# Altium PCB AD-FMComms3_revA.PcbDoc (part 2 of 5) (continued)
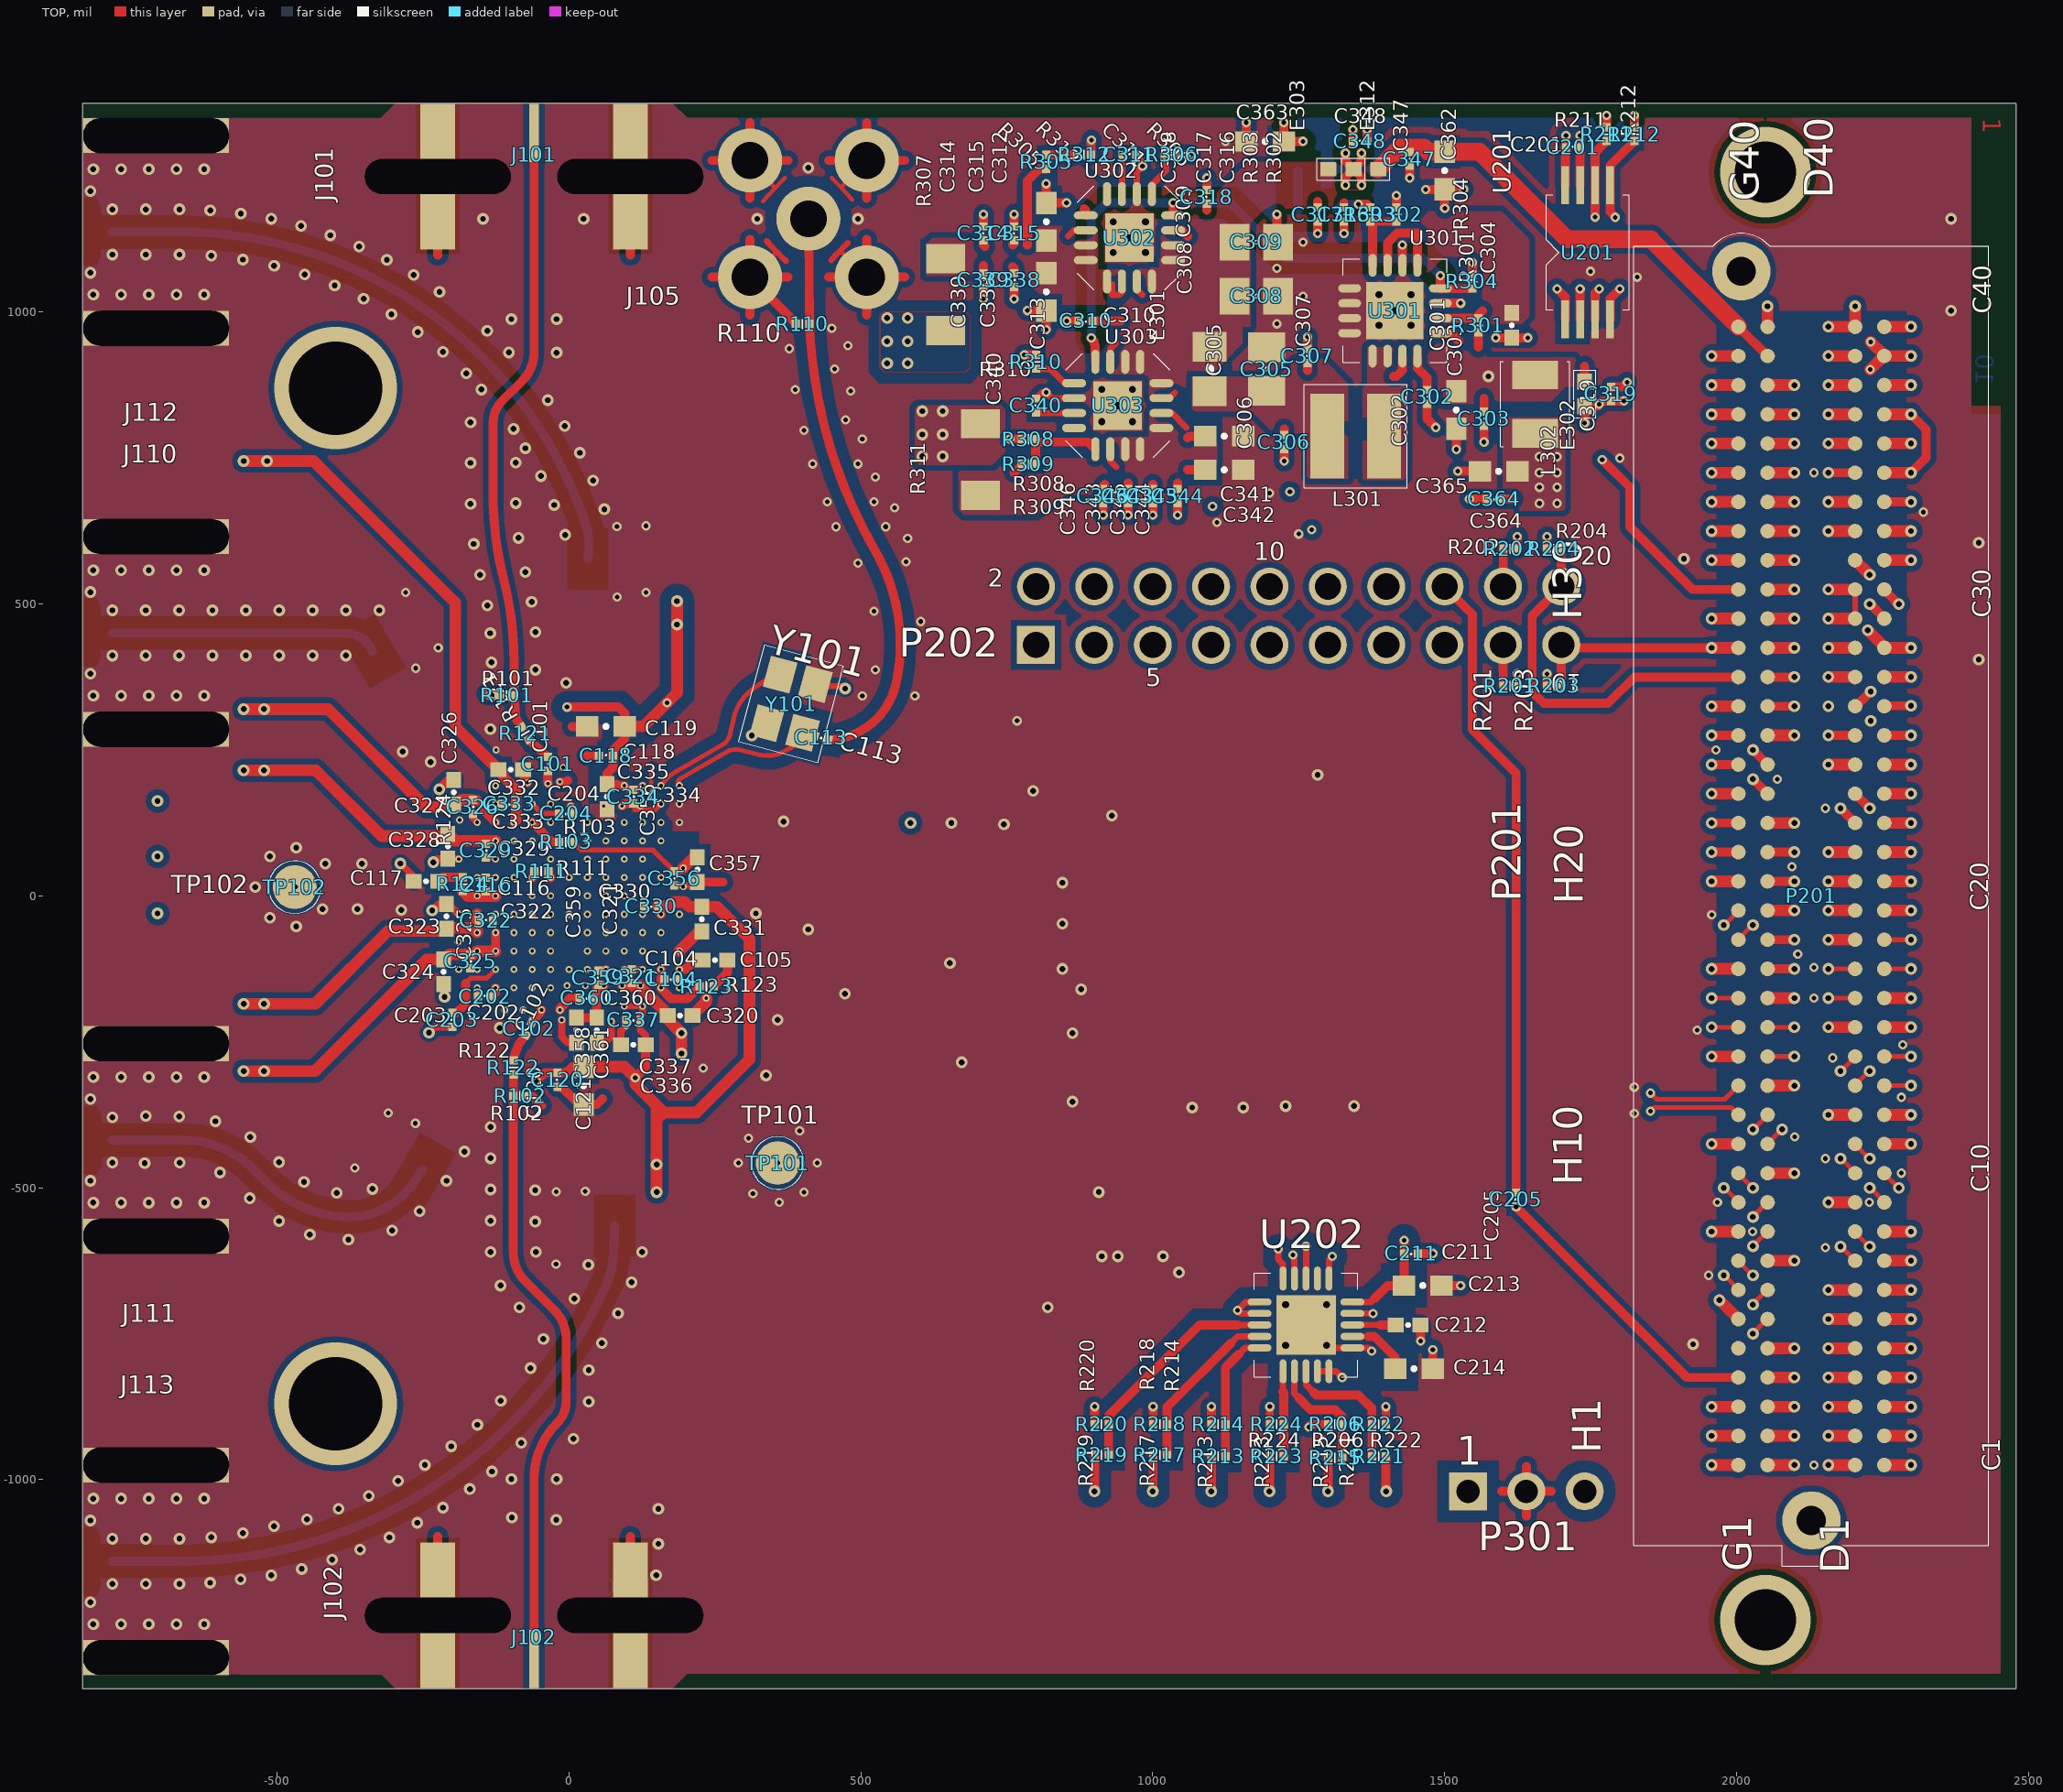
[diagram p0: TOP view]
## Nets (pads, with @x,y where several pads share a name; then routed paths per layer and width w, separated by ;. In a path a pad name is that pad's centre, name@x,y a point inside that pad or via, vN(x,y) a via of type N, cw(c..) or ccw(c..) an arc to the next point about the centre after c; other vN are vias at no path point) (continued)
  L2_GND w5: -265.02,-1097.48 J102.4@-225,-1232.5 -184.98,-1097.48 ; -265.02,1097.48 J101.2@-225,1232.5 -184.98,1097.48 ; 64.98,-1097.48 J102.2@105,-1232.5 145.02,-1097.48 ; 64.98,1097.48 J101.4@105,1232.5 145.02,1097.48 ; 262.02,1012.02 J105.4@310,1060 ; 262.02,1107.98 J105.4@310,1060 ; 262.02,1212.02 J105.3@310,1260 ; 262.02,1307.98 J105.3@310,1260 ; 357.98,1012.02 J105.4@310,1060 ; 357.98,1307.98 J105.3@310,1260 ; 462.02,1012.02 J105.5@510,1060 ; 462.02,1307.98 J105.2@510,1260 ; 557.98,1012.02 J105.5@510,1060 ; 557.98,1107.98 J105.5@510,1060 ; 557.98,1212.02 J105.2@510,1260 ; 557.98,1307.98 J105.2@510,1260 ; 1607.93,-1052.07 P301.2@1640,-1020 ; 1607.93,-987.93 P301.2@1640,-1020 ; 1672.07,-1052.07 P301.2@1640,-1020 ; 1672.07,-987.93 P301.2@1640,-1020
  L4_GND w4.9: -265.02,-1097.48 J102.4@-225,-1232.5 -184.98,-1097.48 ; -265.02,1097.48 J101.2@-225,1232.5 -184.98,1097.48 ; 64.98,-1097.48 J102.2@105,-1232.5 145.02,-1097.48 ; 64.98,1097.48 J101.4@105,1232.5 145.02,1097.48 ; 262.02,1012.02 J105.4@310,1060 ; 262.02,1107.98 J105.4@310,1060 ; 262.02,1212.02 J105.3@310,1260 ; 262.02,1307.98 J105.3@310,1260 ; 357.98,1012.02 J105.4@310,1060 ; 357.98,1307.98 J105.3@310,1260 ; 462.02,1012.02 J105.5@510,1060 ; 462.02,1307.98 J105.2@510,1260 ; 557.98,1012.02 J105.5@510,1060 ; 557.98,1107.98 J105.5@510,1060 ; 557.98,1212.02 J105.2@510,1260 ; 557.98,1307.98 J105.2@510,1260 ; 1607.93,-1052.07 P301.2@1640,-1020 ; 1607.93,-987.93 P301.2@1640,-1020 ; 1672.07,-1052.07 P301.2@1640,-1020 ; 1672.07,-987.93 P301.2@1640,-1020
  L5_SIG w4.9: -265.02,-1232.5 J102.4@-225,-1232.5 ; -265.02,1232.5 J101.2@-225,1232.5 ; -225,-1097.48 J102.4@-225,-1232.5 ; -225,1097.48 J101.2@-225,1232.5 ; -184.98,-1232.5 J102.4@-225,-1232.5 ; -184.98,1232.5 J101.2@-225,1232.5 ; 64.98,-1232.5 J102.2@105,-1232.5 ; 64.98,1232.5 J101.4@105,1232.5 ; 105,-1097.48 J102.2@105,-1232.5 ; 105,1097.48 J101.4@105,1232.5 ; 145.02,-1232.5 J102.2@105,-1232.5 ; 145.02,1232.5 J101.4@105,1232.5 ; 244.98,1060 J105.4@310,1060 ; 244.98,1260 J105.3@310,1260 ; 310,994.98 J105.4@310,1060 ; 310,1125.02 J105.4@310,1060 ; 310,1194.98 J105.3@310,1260 ; 310,1325.02 J105.3@310,1260 ; 375.02,1060 J105.4@310,1060 ; 375.02,1260 J105.3@310,1260 ; 444.98,1060 J105.5@510,1060 ; 444.98,1260 J105.2@510,1260 ; 510,994.98 J105.5@510,1060 ; 510,1125.02 J105.5@510,1060 ; 510,1194.98 J105.2@510,1260 ; 510,1325.02 J105.2@510,1260 ; 575.02,1060 J105.5@510,1060 ; 575.02,1260 J105.2@510,1260 ; 1597.48,-1020 P301.2@1640,-1020 ; 1640,-1062.52 P301.2@1640,-1020 ; 1640,-977.48 P301.2@1640,-1020 ; 1682.52,-1020 P301.2@1640,-1020
  L6_SIG w4.9: -265.02,-1232.5 J102.4@-225,-1232.5 ; -265.02,1232.5 J101.2@-225,1232.5 ; -225,-1097.48 J102.4@-225,-1232.5 ; -225,1097.48 J101.2@-225,1232.5 ; -184.98,-1232.5 J102.4@-225,-1232.5 ; -184.98,1232.5 J101.2@-225,1232.5 ; 64.98,-1232.5 J102.2@105,-1232.5 ; 64.98,1232.5 J101.4@105,1232.5 ; 105,-1097.48 J102.2@105,-1232.5 ; 105,1097.48 J101.4@105,1232.5 ; 145.02,-1232.5 J102.2@105,-1232.5 ; 145.02,1232.5 J101.4@105,1232.5 ; 244.98,1060 J105.4@310,1060 ; 244.98,1260 J105.3@310,1260 ; 310,994.98 J105.4@310,1060 ; 310,1125.02 J105.4@310,1060 ; 310,1194.98 J105.3@310,1260 ; 310,1325.02 J105.3@310,1260 ; 375.02,1060 J105.4@310,1060 ; 375.02,1260 J105.3@310,1260 ; 444.98,1060 J105.5@510,1060 ; 444.98,1260 J105.2@510,1260 ; 510,994.98 J105.5@510,1060 ; 510,1125.02 J105.5@510,1060 ; 510,1194.98 J105.2@510,1260 ; 510,1325.02 J105.2@510,1260 ; 575.02,1060 J105.5@510,1060 ; 575.02,1260 J105.2@510,1260 ; 1597.48,-1020 P301.2@1640,-1020 ; 1640,-1062.52 P301.2@1640,-1020 ; 1640,-977.48 P301.2@1640,-1020 ; 1682.52,-1020 P301.2@1640,-1020
  L7_GND w4: -265.02,-1097.48 J102.4@-225,-1232.5 -184.98,-1097.48 ; -265.02,1097.48 J101.2@-225,1232.5 -184.98,1097.48 ; 64.98,-1097.48 J102.2@105,-1232.5 145.02,-1097.48 ; 64.98,1097.48 J101.4@105,1232.5 145.02,1097.48 ; 262.02,1012.02 J105.4@310,1060 ; 262.02,1107.98 J105.4@310,1060 ; 262.02,1212.02 J105.3@310,1260 ; 262.02,1307.98 J105.3@310,1260 ; 357.98,1012.02 J105.4@310,1060 ; 357.98,1307.98 J105.3@310,1260 ; 462.02,1012.02 J105.5@510,1060 ; 462.02,1307.98 J105.2@510,1260 ; 557.98,1012.02 J105.5@510,1060 ; 557.98,1107.98 J105.5@510,1060 ; 557.98,1212.02 J105.2@510,1260 ; 557.98,1307.98 J105.2@510,1260 ; 1607.93,-1052.07 P301.2@1640,-1020 ; 1607.93,-987.93 P301.2@1640,-1020 ; 1672.07,-1052.07 P301.2@1640,-1020 ; 1672.07,-987.93 P301.2@1640,-1020
  L8_PWR w4: 1607.93,-1052.07 P301.2@1640,-1020 1607.93,-987.93
  L9_GND w5: -265.02,-1097.48 J102.4@-225,-1232.5 -184.98,-1097.48 ; -265.02,1097.48 J101.2@-225,1232.5 -184.98,1097.48 ; 64.98,-1097.48 J102.2@105,-1232.5 145.02,-1097.48 ; 64.98,1097.48 J101.4@105,1232.5 145.02,1097.48 ; 262.02,1012.02 J105.4@310,1060 ; 262.02,1107.98 J105.4@310,1060 ; 262.02,1212.02 J105.3@310,1260 ; 262.02,1307.98 J105.3@310,1260 ; 357.98,1012.02 J105.4@310,1060 ; 357.98,1307.98 J105.3@310,1260 ; 462.02,1012.02 J105.5@510,1060 ; 462.02,1307.98 J105.2@510,1260 ; 557.98,1012.02 J105.5@510,1060 ; 557.98,1107.98 J105.5@510,1060 ; 557.98,1212.02 J105.2@510,1260 ; 557.98,1307.98 J105.2@510,1260 ; 1607.93,-1052.07 P301.2@1640,-1020 ; 1607.93,-987.93 P301.2@1640,-1020 ; 1672.07,-1052.07 P301.2@1640,-1020 ; 1672.07,-987.93 P301.2@1640,-1020
  BOTTOM w7: U101.M6@-15.75,173.23 -15.75,171.75 v3@1.5,154.5 ; v3(188.98,-157.48) v3(188.98,-125.98) ; v3(188.98,-94.49) v3(188.98,-125.98) ; v3(188.98,157.48) v3(157.48,157.48) 125.73,157.48 v3(122.25,154) v3(90.75,154) v3(59.25,154) 28.26,154 27.76,154.5 v3@1.5,154.5 ; v3@1.5,154.5 0.25,153.25 0.25,30.75 0.75,30.25 -0.5,29 -0.5,22.43 -0.25,22.18 -0.25,-118.75 6.98,-125.98 124.52,-125.98 140.75,-109.75 172.75,-109.75 v3(188.98,-125.98)
  BOTTOM w8: U101.M6@-15.75,173.23 ccw(c-25939.4,179.12) -15.75,185 ccw(c-25939.39,166.93) v3@-15.76,196 ; v3(0.01,-125.99) U101.C7@15.75,-110.24 ; v3(0,-31.5) U101.F7@15.75,-15.75 ; v3(0,31.49) U101.H7@15.75,47.24 ; v3(2.98,153.74) 14.99,141.73 U101.L7@15.75,141.73 ; v3(31.5,-125.99) U101.C8@47.24,-110.24 ; U101.L8@47.24,141.73 47.24,141.99 v3(59.25,154) ; v3(63,-125.99) U101.C9@78.74,-110.24 ; v3(94.5,-125.99) U101.C10@110.24,-110.24 ; U101.L10@110.24,141.73 110.24,141.99 v3(122.25,154) ; v3(125.99,-125.99) U101.C11@141.73,-110.24
  BOTTOM w10: v3(-190,-78.74) U101.D1@-173.23,-78.74 ; v3(-188.98,-31.5) U101.E1@-173.23,-47.24 ; U101.B1@-173.23,-141.73 v3(-188.98,-125.98) U101.C1@-173.23,-110.24 ; U101.H1@-173.23,47.24 v3(-188.98,62.99) U101.J1@-173.23,78.74 ; v3(-157.48,-125.98) U101.C2@-141.73,-110.24 ; v3(-157.48,31.5) U101.H2@-141.73,47.24 ; U101.J2@-141.73,78.74 v3(-125.99,62.99) ; U101.K2@-141.73,110.24 v3(-157.46,125.98) U101.L2@-141.73,141.73 ; -130,262.5 v3(-125,250) ; v3(-125.99,31.49) U101.H3@-110.24,47.24 ; v3(-125.98,157.48) U101.L3@-110.24,141.73 ; v3(-94.49,-125.98) U101.C4@-78.74,-110.24 ; v3(-78.74,-195.5) U101.A4@-78.74,-173.23 ; U101.M4@-78.74,173.23 -74.95,183.64 -74.95,187.95 -72.48,190.42 v3(-71.12,194.16) ; v3(-31.5,-157.48) U101.A6@-15.75,-173.23 v3(-15.75,-195.5) ; v3(-31.5,31.49) U101.H6@-15.75,47.24 ; v3@90.75,153.74 v3(90.75,154) ; U101.H10@110.24,47.24 v3(125.98,62.99) ; v3(125.99,-31.49) U101.F11@141.73,-15.75 ; U101.G12@173.23,15.75 v3(195.5,15.75)
  BOTTOM w12: v3(-187.5,130) -184.96,130 U101.L1@-173.23,141.73 ; 240,8.75 245,13.75 C355.2@245,18
  BOTTOM w15.5: v2(-367,-466) T106.1@-337.76,-418.73 v2(-310,-372) ; v1(-325,489.28) T105.2@-293.75,444.13 v2(-262.5,390) T105.5@-231.25,335.87 ; -323,-489 T106.2@-294.46,-443.73 v2(-263.21,-389.6) T106.5@-231.96,-335.47 ; v2(-280,520) T105.1@-250.45,469.13 v2(-224,425) ; -265.02,-1232.5 J102.4@-225,-1232.5 ; -265.02,1232.5 J101.2@-225,1232.5 ; -225,-1097.48 J102.4@-225,-1232.5 ; -225,1097.48 J101.2@-225,1232.5 ; -184.98,-1232.5 J102.4@-225,-1232.5 ; -184.98,1232.5 J101.2@-225,1232.5 ; -102.1,296.8 -101.75,296.45 R125.2@-101.75,284.75 ; v2(-22.23,-630.77) T108.1@-22.23,-564.48 v2(-22,-507) ; 27.77,-611.77 T108.2@27.77,-564.48 v2(27.77,-506) T108.5@27.77,-439.48 ; 64.98,-1232.5 J102.2@105,-1232.5 ; 64.98,1232.5 J101.4@105,1232.5 ; v2(82,633) T107.2@82.22,577.48 v2(82.22,512) T107.5@82.22,452.48 ; 105,-1097.48 J102.2@105,-1232.5 ; 105,1097.48 J101.4@105,1232.5 ; v2(132,520) T107.1@132.22,577.48 v2(132,634) ; 145.02,-1232.5 J102.2@105,-1232.5 ; 145.02,1232.5 J101.4@105,1232.5 ; 244.98,1060 J105.4@310,1060 ; 244.98,1260 J105.3@310,1260 ; 310,994.98 J105.4@310,1060 ; 310,1125.02 J105.4@310,1060 ; 310,1194.98 J105.3@310,1260 ; 310,1325.02 J105.3@310,1260 ; 375.02,1060 J105.4@310,1060 ; 375.02,1260 J105.3@310,1260 ; 444.98,1060 J105.5@510,1060 ; 444.98,1260 J105.2@510,1260 ; 510,994.98 J105.5@510,1060 ; 510,1125.02 J105.5@510,1060 ; 510,1194.98 J105.2@510,1260 ; 510,1325.02 J105.2@510,1260 ; 575.02,1060 J105.5@510,1060 ; 575.02,1260 J105.2@510,1260 ; 1597.48,-1020 P301.2@1640,-1020 ; 1640,-1062.52 P301.2@1640,-1020 ; 1640,-977.48 P301.2@1640,-1020 ; 1682.52,-1020 P301.2@1640,-1020 ; v1@2224.13,454.13 v1(2225,455)
  BOTTOM w20: v3(195.5,15.75) 202.5,8.75 240,8.75 C354.2@285,8.75
  other v1: -815,-1247.5 -767.5,-1247.5 -720,-1247.5 -672.5,-1247.5 -625,-1247.5 -820,-1210 -782.5,-1178.75 -725,-1178.75 -667.5,-1178.75 -614.91,-1176.78 -562.61,-1170.89 -510,-1164 149.25,-1163.75 -458,-1153 -406,-1137 -358,-1120 153,-1110 -782.5,-1101.25 -725,-1101.25 -667.5,-1101.25 -612.92,-1098.87 -308,-1099 -558.75,-1091.74 -505.41,-1079.91 -260,-1074 -820,-1070 -22,-1069 -449,-1068 -98,-1065 -395,-1050 153,-1050 -216,-1048 -815,-1032.5 -767.5,-1032.5 -720,-1032.5 -672.5,-1032.5 -625,-1032.5 -343,-1028 -170,-1016 -293,-1002 -98.75,-999.06 -21.25,-999.06 -132,-986 -247,-975 -202,-943 -82,-937 7.4,-929.9 -157,-906 33.75,-866.29 -117,-865 33.75,-812.28 -66,-809 1925.68,-768.02 56,-766 -44,-759 84,-715 -85,-705 820,-705 9,-690 -117.5,-667.5 107,-662 1045,-645 33,-632 912.5,-617.5 940,-617.5 1017.5,-617.5 -134.5,-609.91 -57,-609.9 125,-610 -378,-589 -444,-580 -303,-573 -58,-558 -497,-557 -134.5,-556.43 -256,-540 -815,-525.53 -767.5,-525.53 -720,-525.53 -672.5,-525.53 -625,-525.53 -547,-518 -398,-509 907.5,-507.5 -58,-504 -134.5,-502.95 -337,-502 -454,-490 -820,-488.03 -210,-488 -598,-474 -727,-458 -782.5,-456.78 -667,-457 -497,-456 -134.5,-449.46 -179,-438 -546,-413 -134.5,-395.98 -606,-386 -782.5,-379.28 -668,-378 -725,-377 1067.5,-362.5 1155,-362.5 1227.5,-360 1345,-360 862.5,-352.5 -820,-348.03 -815,-310.53 -767.5,-310.53 -720,-310.53 -672.5,-310.53 -625,-310.53 337.5,-307.5 672.5,-285 862.5,-235 -118.71,-226.24 357.5,-212.5 472.5,-167.5 877.5,-160 845,-125 652.5,-115 410,-57.5 -467.5,-52.5 845,-47.5 -512.5,-37.5 320,-30 -287.58,-24.01 -422.5,-22.5 -362.5,-22.5 -537.5,15 845,22.5 -417.5,55 -355,55 -512.5,67.5 -467.5,82.5 745,122.5 655,125 367.5,127.5 930,137.5 795,180 1282.5,207.5 -237.39,229.48 -285,247.1 -134.84,285.77 -815,343.03 -767.5,343.03 -720,343.03 -672.5,343.03 -625,343.03 -5,365 -820,380.53 -57.5,387.5 -133,400 2415,405 -782.5,411.78 -725.31,411.78 -668.12,411.78 -610.94,411.78 -553.75,411.78 -496.56,411.78 -439.38,411.78 -382.19,411.78 -135,450 -57.67,452.02 -782.5,489.28 -725.31,489.28 -668.12,489.28 -610.94,489.28 -553.75,489.28 -496.56,489.28 -439.38,489.28 -382.19,489.28 -140,497.5 -64.17,503.67 -820,520.53 -152.5,550 -74.95,554.6 -815,558.03 -767.5,558.03 -720,558.03 -672.5,558.03 -625,558.03 1910,577.5 -163.28,602.98 2415,605 -86.46,613.31 -6.52,618.52 60.4,662.44 -25.4,669.71 -168.74,671.63 -91.25,672.94 41.05,711.51 -48.25,719.27 -168.75,741.9 -91.25,742.11 18.39,759.15 -74.92,766.89 -95,800 -7.46,805.13 -168.75,811.29 -36.39,849.24 -150,867.5 -176.06,895.19 -102.93,931.02 -21.25,930.77 -216.13,932.23 -258.99,966.02 -140.23,968.32 -98.75,988.08 -21.25,988.08 -304.36,996.33 2367.5,1002.5 -351.98,1023 -815,1030 -767.5,1030 -720,1030 -672.5,1030 -625,1030 -222.01,1034.86 -401.54,1045.85 -266.12,1063.79 -452.73,1064.73 -820,1067.5 -505.26,1079.55 -558.78,1090.19 -312.1,1089.64 -612.97,1096.61 -782.5,1098.75 -725,1098.75 -667.5,1098.75 -359.74,1112.3 -408.81,1131.65 -459.08,1147.6 -510.33,1160.09 -147.5,1160 25,1160 322.5,1160 495,1160 2367.5,1160 -562.31,1169.05 -614.78,1174.45 -782.5,1176.25 -725,1176.25 -667.5,1176.25 -820,1207.5 -815,1245 -767.5,1245 -720,1245 -672.5,1245 -625,1245 410,1247.5
  other v2: 2132.5,-975 1952.5,-650 2152.5,-602.5 2027.5,-575 360,-525 1967.5,-525 2227.5,-525 315,-510 402.5,-507.5 2282.5,-475 290,-457.5 425,-457.5 2152.5,-450 307.5,-415.01 2100,-412.5 395,-402.51 1825,-372.5 2282.5,-345 1825,-327.5 230,-295 2165,-277.5 2285,-255 1932.5,-230 2132.5,-175 2132.5,-122.5 2105,-100 1957.5,-32.5 2095,50 2152.5,150 2070,200 1965,250 767.5,300 502.5,342.5 592.5,342.5 525,387.5 602.5,470 522.5,487.5 495,570 577.5,572.5 580,612.5 1250,620 457.5,632.5 542.5,632.5 1110,640 2320,657.5 557.5,665 442.5,675 522.5,675 1200,690 525,717.5 2132.5,725 417.5,740 495,740 1800,750 502.5,782.5 402.5,797.5 473.75,815.65 482.5,865 387.5,867.5 455,902.5 377.5,937.5 477.5,942.5 450,972.5 1212.5,980 1257.5,1027.5 1830,1060 1750,1070 1212.5,1075 1257.5,1120 1125,1292.5
  other v3: 94.49,-31.5 188.98,125.98 -10,220
  other v4: 1227.5,-770 1227.5,-700 1297.5,-700 912.5,812.5 965,812.5 940,840 912.5,867.5 965,867.5 1387.5,977.5 1442.5,977.5 1415,1002.5 1387.5,1030 1442.5,1030 932.5,1102.5 987.5,1102.5 960,1127.5 932.5,1155 987.5,1155
GPO0: P202.12 U101.B7 | length 4206.2
  L5_SIG w4.9: v3(28.02,-153.74) 28.02,-289.48 -52.5,-370 -150,-370 -165,-385 -242.5,-385 -462.5,-165 -677.5,-165 -777.5,-65 -777.5,197.5 -745,230 -577.5,230 -540,267.5 -540,340 -535,345 -535,527.5 -190,872.5 -172.5,872.5 -147.5,897.5 419.75,897.5 432.25,885 775.25,885 807.75,917.5 1112.5,917.5 1300,730 P202.12@1300,530
  BOTTOM w10: U101.B7@15.75,-141.73 v3(28.02,-153.74)
GPO1: P202.13 U101.B6 | length 4209.1
  L5_SIG w4.9: v3(-3.48,-153.74) 2.5,-159.72 2.5,-220 -35,-257.5 -60,-257.5 -112.5,-310 -250,-310 -275,-285 -292.5,-285 -442.5,-135 -670,-135 -755,-50 -755,190 -735,210 -640,210 -607.5,177.5 -525,177.5 -497.5,205 -497.5,382.5 -515,400 -515,497.5 -162.5,850 -137.5,850 -117.5,870 342.5,870 362.5,850 435,850 442.5,842.5 502.5,842.5 520,860 790,860 825,895 1097.5,895 1272.5,720 v2(1272.5,627.5)
  L6_SIG w4.9: v2(1272.5,627.5) 1340,560 1340,490 P202.13@1400,430
  BOTTOM w10: U101.B6@-15.75,-141.73 -3.74,-153.74 v3(-3.48,-153.74)
GPO2: P202.14 U101.B5 | length 3368.9
  L5_SIG w4.9: v3(-62.99,-157.48) -62.99,-200.49 -107.5,-245 -202.5,-245 -237.5,-210 -257.5,-210 -388.75,-78.75 -511.25,-78.75 -557.5,-32.5 -557.5,60 -465,152.5 -465,490 -180,775 -170,775 -117.5,827.5 397.5,827.5 425,800 535,800 545,810 767.5,810 800,777.5 1150,777.5 v2(1235,692.5)
  L6_SIG w4.9: v2(1235,692.5) 1285,692.5 1400,577.5 P202.14@1400,530
GPO3: P202.15 U101.B4 | length 3011.9
  L5_SIG w4.9: v3(-94.49,-157.48) -112.01,-175 -180,-175 -200,-155 -242.5,-155 -337.5,-60 -337.5,102.5 -372.5,137.5 -372.5,377.5 -362.5,387.5 -362.5,477.5 -207.5,632.5 -167.5,632.5 -62.5,737.5 315,737.5 352.5,700 595,700 620,725 1045,725 v2(1102.5,667.5)
  L6_SIG w4.9: v2(1102.5,667.5) 1270,667.5 1360,577.5 1360,510 1387.5,482.5 1447.5,482.5 P202.15@1500,430
PG_1P3_A: R306.1 U302.5 | length 78.9
  TOP w11: U302.5@998.39,1202.3 998.39,1218.39 1023,1243 1023,1267.5 R306.1@1020.5,1270
PG_1P3_B: R310.1 U303.5 | length 75.4
  TOP w11: R310.1@800,903 824.5,903 849.11,878.39 U303.5@865.2,878.39
PG_1P8V: R304.1 U301.16 U302.4 U303.4 | length 1008.1
  TOP w15.5: v2(894.64,955.76) cw(c879.16,940.28) 901.05,940.28 901.05,927.5 901.61,926.94 U303.4@901.61,914.8 ; U302.4@1034.8,1165.89 1034.8,1167.19 1035,1167.39 v2(1035,1187.5) ; v2(1492.72,1062.5) U301.16@1492.72,1040.89 1493.61,1040 R304.1@1547.5,1040.5
  BOTTOM w15.5: v2(894.64,955.76) 894.64,1162.14 920,1187.5 v2(1035,1187.5) 1132.5,1187.5 1227.5,1092.5 1462.72,1092.5 v2(1492.72,1062.5)
PG_FMC: P201.D1 U301.15 | length 2768.7
  TOP w15.5: U301.15@1492.72,1015.3 v2(1527.5,1015.3)
  TOP w20: v1(2157.45,-975) P201.D1@2203.27,-975
  L5_SIG w4.9: v2(1527.5,1015.3) 1707.2,1015.3 1920,802.5 1982.5,802.5 2085,700 2170,700 2190,680 2190,507.5 2222.5,475 2322.5,475 2365,432.5 2365,-792.5 2307.5,-850 2282.5,-850 2157.5,-975 v1(2157.45,-975)
REF_CLK: C113.1 J105.1 R110.2 | length 990.5
  TOP w8: C113.1@442.34,267.14 443.48,268.28 C113.1@443.8,268.28
  TOP w15.5: J105.1@410,1160 cw(c-7689,980) R110.2@412,980 ccw(c1259.56,1014.21) 525,590 cw(c250.14,431.27) 560.52,364.89 cw(c439.61,390.75) C113.1@442.34,267.14
RESETB: P201.H31 R103.2 U101.K5 | length 2810
  TOP w15.5: v3(-62.99,125.98) -29.51,92.5 R103.2@-17,92.5 ; v2(1770,747.5) 1817.5,700 1817.5,632.5 1925,525 P201.H31@2003.27,525
  L6_SIG w4.9: v3(-62.99,125.98) -87.5,150.49 -87.5,209.5 37.55,334.55 37.55,422.55 108.5,493.5 108.5,526.5 414.5,832.5 517.5,832.5 535,850 717.5,850 757.5,890 1460,890 1552.5,797.5 1720,797.5 v2(1770,747.5)
  BOTTOM w10: v3(-62.99,125.98) U101.K5@-47.24,110.24
RX1A: J110.1 T105.3 | length 458.6
  BOTTOM w15.5: J110.1@-782.5,450.53 -410.6,450.53 -382.96,449.75 -370.62,448.97 cw(c-382.9,401.35) T105.3@-337.05,419.13
RX1A_N: C106.2 U101.M2 | length 96
  BOTTOM w8: C106.2@-165.93,261.92 -166.47,261.03 ccw(c-141.51,248.06) -165.87,233.99 -162.14,227.53 -158.13,220.6 -154.13,213.67 cw(c-185.72,195.41) -149.25,196.5 -149.25,190.25 ccw(c-123.51,191.45) U101.M2@-141.73,173.23
RX1A_P: C107.2 U101.M1 | length 93.7
  BOTTOM w8: C107.2@-200.57,241.92 -201.11,241.03 cw(c-196.29,224.81) -181.64,233.28 -170.26,213.59 -166.26,206.66 cw(c-185.72,195.41) -163.25,196.26 -163.25,184 cw(c-174.05,184) U101.M1@-173.23,173.23
RX2A: J111.1 T106.3 | length 601.9
  BOTTOM w15.5: J111.1@-782.5,-418.03 -661.64,-418.03 cw(c-661.64,-588.64) -541,-468 -518.4,-490.61 ccw(c-375.01,-347.21) -375,-550 ccw(c-375,-422.41) -284.78,-512.63 -272.72,-500.57 -270.92,-498.76 T106.3@-251.16,-468.73
RX2A_N: C108.2 U101.A1 | length 93.7
  BOTTOM w8: C108.2@-200.57,-241.92 -201.11,-241.03 ccw(c-196.29,-224.81) -181.64,-233.28 -170.26,-213.59 -166.26,-206.66 ccw(c-185.72,-195.41) -163.25,-196.26 -163.25,-184 ccw(c-174.05,-184) U101.A1@-173.23,-173.23
RX2A_P: C109.2 U101.A2 | length 96
  BOTTOM w8: C109.2@-165.93,-261.92 -166.47,-261.03 cw(c-141.51,-248.06) -165.87,-233.99 -162.14,-227.53 -158.13,-220.6 -154.13,-213.67 ccw(c-185.72,-195.41) -149.25,-196.5 -149.25,-190.25 cw(c-123.51,-191.45) U101.A2@-141.73,-173.23
RX_D0_N: P201.H8 TP202.1 U101.K11 | length 2989.2
  TOP w8: P201.H8@2003.27,-625 2003.27,-625.82 2021.81,-644.36 2021.81,-646 v1(2028.27,-650)
  L5_SIG w3.8: v3(157.47,125.98) 178.96,104.49 242.01,104.49 297.22,49.28 583.22,49.28 605,27.5 605,-137.5 590,-152.5 590,-242.5 607.5,-260 645,-260 657.5,-247.5 657.5,-145 675,-127.5 722.5,-127.5 862.5,-267.5 881.65,-267.5 1099.15,-485 1580,-485 1790,-275 1833.43,-275 1887.3,-328.87 1887.3,-375.2 1835,-427.5 1835,-558.35 1879.38,-602.73 1992.73,-602.73 2020,-630 2020,-641.73 v1(2028.27,-650)
  BOTTOM w8: U101.K11@141.73,110.24 v3(157.47,125.98)
RX_D0_P: P201.H7 TP201.1 U101.J12 | length 2988
  TOP w8: v1(1978.27,-650) 1984.73,-654 1984.73,-655.64 2003.27,-674.18 P201.H7@2003.27,-675
  L5_SIG w3.8: v3(157.48,94.49) 237.86,94.49 293.07,39.28 579.07,39.28 595,23.35 595,-133.35 580,-148.35 580,-246.65 603.35,-270 649.15,-270 667.5,-251.65 667.5,-149.15 679.15,-137.5 718.35,-137.5 858.35,-277.5 877.5,-277.5 1095,-495 1584.15,-495 1794.15,-285 1829.28,-285 1877.3,-333.02 1877.3,-371.05 1825,-423.35 1825,-562.5 1875.23,-612.73 1988.58,-612.73 2010,-634.15 2010,-643.22 2003.22,-650 v1(1978.27,-650)
  BOTTOM w8: v3(157.48,94.49) U101.J12@173.23,78.74
RX_D1_N: P201.G10 TP215.1 U101.K10 | length 2958.6
  TOP w8: v1(2028.27,-550) 2032.27,-543.54 2033.91,-543.54 2052.45,-525 P201.G10@2053.27,-525
  L5_SIG w3.8: v3(125.98,125.98) 130.75,130.75 130.75,131.82 135.75,136.82 135.75,155.25 150.98,170.48 194.37,170.48 201.4,163.45 241.58,163.45 302.53,102.5 737.5,102.5 750,90 750,55.84 734.16,40 666.65,40 660,33.35 660,-5.85 666.65,-12.5 724.15,-12.5 737.5,-25.85 737.5,-67.5 1107.5,-437.5 1532.5,-437.5 1750,-220 1842.9,-220 1970,-347.1 1970,-372.5 1870,-472.5 1870,-530.85 1884.15,-545 1974.28,-545 1997.5,-568.22 2010.05,-568.22 v1(2028.27,-550)
RX_D1_P: P201.G9 TP214.1 U101.J11 | length 2984.7
  TOP w8: v1(2028.27,-600) 2032.27,-593.54 2033.91,-593.54 2052.45,-575 P201.G9@2053.27,-575
  L5_SIG w3.8: v3(125.99,94.48) 140.75,109.24 140.75,127.64 153.36,140.25 190.14,140.25 203.14,153.25 237.63,153.25 298.38,92.5 733.35,92.5 740,85.85 740,60 730,50 662.5,50 650,37.5 650,-10 662.5,-22.5 720,-22.5 727.5,-30 727.5,-71.65 1103.35,-447.5 1536.65,-447.5 1754.15,-230 1838.75,-230 1960,-351.25 1960,-368.35 1860,-468.35 1860,-535 1880,-555 1970.13,-555 1990.42,-575.29 1990.42,-575.57 1993.27,-578.42 2006.69,-578.42 v1(2028.27,-600)
  BOTTOM w8: v3(125.99,94.48) U101.J11@141.73,78.74
RX_D2_N: P201.H11 TP204.1 U101.K9 | length 2939
  TOP w8: P201.H11@2003.27,-475 2003.27,-475.82 2021.81,-494.36 2021.81,-496 v1(2028.27,-500)
  L5_SIG w3.8: v3(94.49,125.98) 94.49,131.86 87.82,138.53 77.75,148.61 77.75,159.39 85.36,167 97,167 113.09,183.09 113.09,194.33 120.64,201.88 131.88,201.88 142.18,212.18 241.82,212.18 292.42,161.58 768.42,161.58 885,45 940,45 957.5,27.5 957.5,-24.15 941.65,-40 929.15,-40 925,-44.15 925,-70.85 931.65,-77.5 951.65,-77.5 972.5,-98.35 972.5,-177.5 1095,-300 1180,-300 1197.5,-317.5 1197.5,-378.35 1216.65,-397.5 1488.35,-397.5 1755.85,-130 1799.15,-130 1914.87,-245.72 1974.87,-245.72 1994.15,-265 2030,-265 2050,-285 2050,-344.15 2007.5,-386.65 2007.5,-413.35 2023.27,-429.12 2023.27,-495 v1(2028.27,-500)
RX_D2_P: P201.H10 TP203.1 U101.J10 | length 2959.4
  TOP w8: v1(1978.27,-500) 1984.73,-504 1984.73,-505.64 2003.27,-524.18 P201.H10@2003.27,-525
  L5_SIG w3.8: v3(94.5,94.48) 107.39,107.37 107.39,133.11 103.75,136.75 103.75,159.6 120.23,176.08 131.34,176.08 138.89,183.63 138.89,194.74 146.33,202.18 237.67,202.18 288.27,151.58 764.27,151.58 880.85,35 935.85,35 947.5,23.35 947.5,-20 937.5,-30 925,-30 915,-40 915,-75 927.5,-87.5 947.5,-87.5 962.5,-102.5 962.5,-181.65 1090.85,-310 1175.85,-310 1187.5,-321.65 1187.5,-382.5 1212.5,-407.5 1492.5,-407.5 1760,-140 1795,-140 1910.72,-255.72 1970.72,-255.72 1990,-275 2025.85,-275 2040,-289.15 2040,-340 1997.5,-382.5 1997.5,-417.5 2013.27,-433.27 2013.27,-466.73 1980,-500 v1(1978.27,-500)
  BOTTOM w8: v3(94.5,94.48) U101.J10@110.24,78.74
RX_D3_N: P201.D12 TP223.1 U101.K8 | length 2964.6
  TOP w8: P201.D12@2203.27,-425 2203.27,-425.82 2221.81,-444.36 2221.81,-446 v1(2228.27,-450)
  L5_SIG w3.8: v3(31.5,125.99) 41.03,116.46 46.41,116.46 49.1,119.15 49.1,127.68 35,141.78 35,166.65 105.85,237.5 271.78,237.5 301.78,207.5 815,207.5 855,167.5 855,137.5 892.5,100 962.5,100 1015,47.5 1015,-118.35 1136.65,-240 1558.35,-240 1710.85,-87.5 1836.65,-87.5 1944.87,-195.72 2113.22,-195.72 2135,-217.5 2135,-285 2155.83,-305.83 2179.58,-329.57 2203.32,-353.32 2228.27,-378.27 v1(2228.27,-450)
  BOTTOM w8: v3(31.5,125.99) U101.K8@47.24,110.24
RX_D3_P: P201.D11 TP222.1 U101.J9 | length 2966
  TOP w8: v1(2178.27,-450) 2184.73,-454 2184.73,-455.64 2203.27,-474.18 P201.D11@2203.27,-475
  L5_SIG w3.8: v3(63,94.49) 53.49,104 53.49,109.38 59.1,114.99 59.1,131.83 45,145.93 45,162.5 110,227.5 267.63,227.5 297.63,197.5 810.85,197.5 845,163.35 845,133.35 888.35,90 958.35,90 1005,43.35 1005,-122.5 1132.5,-250 1562.5,-250 1715,-97.5 1832.5,-97.5 1940.72,-205.72 2109.07,-205.72 2125,-221.65 2125,-289.16 2160.63,-324.78 2172.5,-336.65 2196.24,-360.4 2218.27,-382.42 2218.27,-426.73 2195,-450 v1(2178.27,-450)
  BOTTOM w8: v3(63,94.49) U101.J9@78.74,78.74

## Text inside footprints (layer, text, board x,y; h text height)
TP206: PIN_NUMBER "1" at 1845,-337.5 h25 r90; ASSEMBLY_BOTTOM "TP-108" at 1836.3,-318.7 h25; ASSEMBLY_BOTTOM "UPN" at 1772.3,-377.2 h25; PAD_STACK_NAME "TPSM70X135" at 1509.4,-345.9 h50 r90; PAD_STACK_NAME "14X30" at 1920.6,-330 h50 r90; DISPLAY_BOTTOM "DDMMMYY" at 1774.4,-560.7 h31; DISPLAY_BOTTOM "ADI/JDB" at 1768.2,-187.5 h31; DISPLAY_BOTTOM "02AUG13" at 1768.2,-237.5 h31; DISPLAY_BOTTOM "QA/XXX" at 1786.1,-524.4 h31; DISPLAY_BOTTOM "QA/XXX" at 1780.6,-437.5 h31; DISPLAY_BOTTOM "DDMMMYY" at 1768.9,-474.3 h31
TP207: PIN_NUMBER "1" at 1947.5,-225 h25 r180; ASSEMBLY_BOTTOM "TP-108" at 1878.7,-183.7 h25 r90; ASSEMBLY_BOTTOM "UPN" at 1967.2,-277.7 h25 r90; PAD_STACK_NAME "TPSM70X135" at 1765.9,-370.6 h50 r180; PAD_STACK_NAME "14X30" at 1850,-59.4 h50 r180; DISPLAY_BOTTOM "DDMMMYY" at 2093.9,-218.8 h31 r90; DISPLAY_BOTTOM "ADI/JDB" at 1720.7,-225 h31 r90; DISPLAY_BOTTOM "02AUG13" at 1770.7,-225 h31 r90; DISPLAY_BOTTOM "QA/XXX" at 2070,-219.5 h31 r90; DISPLAY_BOTTOM "QA/XXX" at 1983.1,-225 h31 r90; DISPLAY_BOTTOM "DDMMMYY" at 2007.5,-224.3 h31 r90
TP208: PIN_NUMBER "1" at 1947.5,-175 h25 r180; ASSEMBLY_BOTTOM "TP-108" at 1878.7,-133.7 h25 r90; ASSEMBLY_BOTTOM "UPN" at 1967.2,-227.7 h25 r90; PAD_STACK_NAME "TPSM70X135" at 1765.9,-320.6 h50 r180; PAD_STACK_NAME "14X30" at 1850,-9.4 h50 r180; DISPLAY_BOTTOM "DDMMMYY" at 2093.9,-168.8 h31 r90; DISPLAY_BOTTOM "ADI/JDB" at 1720.7,-175 h31 r90; DISPLAY_BOTTOM "02AUG13" at 1770.7,-175 h31 r90; DISPLAY_BOTTOM "QA/XXX" at 2070,-169.5 h31 r90; DISPLAY_BOTTOM "QA/XXX" at 1983.1,-175 h31 r90; DISPLAY_BOTTOM "DDMMMYY" at 2007.5,-174.3 h31 r90
TP209: PIN_NUMBER "1" at 2020,-50 h25 r180; ASSEMBLY_BOTTOM "TP-108" at 1951.2,-8.7 h25 r90; ASSEMBLY_BOTTOM "UPN" at 2039.7,-102.7 h25 r90; PAD_STACK_NAME "TPSM70X135" at 1838.4,-195.6 h50 r180; PAD_STACK_NAME "14X30" at 1922.5,115.6 h50 r180; DISPLAY_BOTTOM "DDMMMYY" at 2166.4,-43.8 h31 r90; DISPLAY_BOTTOM "ADI/JDB" at 1793.2,-50 h31 r90; DISPLAY_BOTTOM "02AUG13" at 1843.2,-50 h31 r90; DISPLAY_BOTTOM "QA/XXX" at 2142.5,-44.5 h31 r90; DISPLAY_BOTTOM "QA/XXX" at 2055.6,-50 h31 r90; DISPLAY_BOTTOM "DDMMMYY" at 2080,-49.3 h31 r90
TP210: PIN_NUMBER "1" at 1967.5,-50 h25 r180; ASSEMBLY_BOTTOM "TP-108" at 1898.7,-8.7 h25 r90; ASSEMBLY_BOTTOM "UPN" at 1987.2,-102.7 h25 r90; PAD_STACK_NAME "TPSM70X135" at 1785.9,-195.6 h50 r180; PAD_STACK_NAME "14X30" at 1870,115.6 h50 r180; DISPLAY_BOTTOM "DDMMMYY" at 2113.9,-43.8 h31 r90; DISPLAY_BOTTOM "ADI/JDB" at 1740.7,-50 h31 r90; DISPLAY_BOTTOM "02AUG13" at 1790.7,-50 h31 r90; DISPLAY_BOTTOM "QA/XXX" at 2090,-44.5 h31 r90; DISPLAY_BOTTOM "QA/XXX" at 2003.1,-50 h31 r90; DISPLAY_BOTTOM "DDMMMYY" at 2027.5,-49.3 h31 r90
TP211: PIN_NUMBER "1" at 1947.45,125 h25; ASSEMBLY_BOTTOM "TP-108" at 1916.25,83.7 h25 r270; ASSEMBLY_BOTTOM "UPN" at 1887.75,177.7 h25 r270; PAD_STACK_NAME "TPSM70X135" at 1749.05,270.6 h50; PAD_STACK_NAME "14X30" at 1864.95,-40.6 h50; DISPLAY_BOTTOM "DDMMMYY" at 1647.45,118.8 h31 r270; DISPLAY_BOTTOM "ADI/JDB" at 2020.65,125 h31 r270; DISPLAY_BOTTOM "02AUG13" at 1970.65,125 h31 r270; DISPLAY_BOTTOM "QA/XXX" at 1696.15,119.5 h31 r270; DISPLAY_BOTTOM "QA/XXX" at 1783.05,125 h31 r270; DISPLAY_BOTTOM "DDMMMYY" at 1733.85,124.3 h31 r270
TP212: PIN_NUMBER "1" at 2020,-750 h25 r90; ASSEMBLY_BOTTOM "TP-108" at 2011.3,-731.2 h25; ASSEMBLY_BOTTOM "UPN" at 1947.3,-789.7 h25; PAD_STACK_NAME "TPSM70X135" at 1684.4,-758.4 h50 r90; PAD_STACK_NAME "14X30" at 2095.6,-742.5 h50 r90; DISPLAY_BOTTOM "DDMMMYY" at 1949.4,-973.2 h31; DISPLAY_BOTTOM "ADI/JDB" at 1943.2,-600 h31; DISPLAY_BOTTOM "02AUG13" at 1943.2,-650 h31; DISPLAY_BOTTOM "QA/XXX" at 1961.1,-936.9 h31; DISPLAY_BOTTOM "QA/XXX" at 1955.6,-850 h31; DISPLAY_BOTTOM "DDMMMYY" at 1943.9,-886.8 h31
TP213: PIN_NUMBER "1" at 2020,-700 h25 r90; ASSEMBLY_BOTTOM "TP-108" at 2011.3,-681.2 h25; ASSEMBLY_BOTTOM "UPN" at 1947.3,-739.7 h25; PAD_STACK_NAME "TPSM70X135" at 1684.4,-708.4 h50 r90; PAD_STACK_NAME "14X30" at 2095.6,-692.5 h50 r90; DISPLAY_BOTTOM "DDMMMYY" at 1949.4,-923.2 h31; DISPLAY_BOTTOM "ADI/JDB" at 1943.2,-550 h31; DISPLAY_BOTTOM "02AUG13" at 1943.2,-600 h31; DISPLAY_BOTTOM "QA/XXX" at 1961.1,-886.9 h31; DISPLAY_BOTTOM "QA/XXX" at 1955.6,-800 h31; DISPLAY_BOTTOM "DDMMMYY" at 1943.9,-836.8 h31
TP214: PIN_NUMBER "1" at 2020,-600 h25 r90; ASSEMBLY_BOTTOM "TP-108" at 2011.3,-581.2 h25; ASSEMBLY_BOTTOM "UPN" at 1947.3,-639.7 h25; PAD_STACK_NAME "TPSM70X135" at 1684.4,-608.4 h50 r90; PAD_STACK_NAME "14X30" at 2095.6,-592.5 h50 r90; DISPLAY_BOTTOM "DDMMMYY" at 1949.4,-823.2 h31; DISPLAY_BOTTOM "ADI/JDB" at 1943.2,-450 h31; DISPLAY_BOTTOM "02AUG13" at 1943.2,-500 h31; DISPLAY_BOTTOM "QA/XXX" at 1961.1,-786.9 h31; DISPLAY_BOTTOM "QA/XXX" at 1955.6,-700 h31; DISPLAY_BOTTOM "DDMMMYY" at 1943.9,-736.8 h31
TP215: PIN_NUMBER "1" at 2020,-550 h25 r270; ASSEMBLY_BOTTOM "TP-108" at 1928.7,-568.8 h25 r180; ASSEMBLY_BOTTOM "UPN" at 2052.7,-510.3 h25 r180; PAD_STACK_NAME "TPSM70X135" at 1975.6,-541.6 h50 r270; PAD_STACK_NAME "14X30" at 1764.4,-557.5 h50 r270; DISPLAY_BOTTOM "DDMMMYY" at 1937,-326.8 h31 r180; DISPLAY_BOTTOM "ADI/JDB" at 1943.2,-700 h31 r180; DISPLAY_BOTTOM "02AUG13" at 1943.2,-650 h31 r180; DISPLAY_BOTTOM "QA/XXX" at 1950.1,-363.1 h31 r180; DISPLAY_BOTTOM "QA/XXX" at 1955.6,-450 h31 r180; DISPLAY_BOTTOM "DDMMMYY" at 1942.5,-413.2 h31 r180
TP216: PIN_NUMBER "1" at 2070,-400 h25 r180; ASSEMBLY_BOTTOM "TP-108" at 2001.2,-358.7 h25 r90; ASSEMBLY_BOTTOM "UPN" at 2089.7,-452.7 h25 r90; PAD_STACK_NAME "TPSM70X135" at 1888.4,-545.6 h50 r180; PAD_STACK_NAME "14X30" at 1972.5,-234.4 h50 r180; DISPLAY_BOTTOM "DDMMMYY" at 2216.4,-393.8 h31 r90; DISPLAY_BOTTOM "ADI/JDB" at 1843.2,-400 h31 r90; DISPLAY_BOTTOM "02AUG13" at 1893.2,-400 h31 r90; DISPLAY_BOTTOM "QA/XXX" at 2192.5,-394.5 h31 r90; DISPLAY_BOTTOM "QA/XXX" at 2105.6,-400 h31 r90; DISPLAY_BOTTOM "DDMMMYY" at 2130,-399.3 h31 r90
TP217: PIN_NUMBER "1" at 2020,-400 h25; ASSEMBLY_BOTTOM "TP-108" at 1988.8,-441.3 h25 r270; ASSEMBLY_BOTTOM "UPN" at 1960.3,-347.3 h25 r270; PAD_STACK_NAME "TPSM70X135" at 1821.6,-254.4 h50; PAD_STACK_NAME "14X30" at 1937.5,-565.6 h50; DISPLAY_BOTTOM "DDMMMYY" at 1720,-406.2 h31 r270; DISPLAY_BOTTOM "ADI/JDB" at 2093.2,-400 h31 r270; DISPLAY_BOTTOM "02AUG13" at 2043.2,-400 h31 r270; DISPLAY_BOTTOM "QA/XXX" at 1768.7,-405.5 h31 r270; DISPLAY_BOTTOM "QA/XXX" at 1855.6,-400 h31 r270; DISPLAY_BOTTOM "DDMMMYY" at 1806.4,-400.7 h31 r270
TP218: PIN_NUMBER "1" at 2087.5,-275 h25 r270; ASSEMBLY_BOTTOM "TP-108" at 1996.2,-293.8 h25 r180; ASSEMBLY_BOTTOM "UPN" at 2120.2,-235.3 h25 r180; PAD_STACK_NAME "TPSM70X135" at 2043.1,-266.6 h50 r270; PAD_STACK_NAME "14X30" at 1831.9,-282.5 h50 r270; DISPLAY_BOTTOM "DDMMMYY" at 2004.5,-51.8 h31 r180; DISPLAY_BOTTOM "ADI/JDB" at 2010.7,-425 h31 r180; DISPLAY_BOTTOM "02AUG13" at 2010.7,-375 h31 r180; DISPLAY_BOTTOM "QA/XXX" at 2017.6,-88.1 h31 r180; DISPLAY_BOTTOM "QA/XXX" at 2023.1,-175 h31 r180; DISPLAY_BOTTOM "DDMMMYY" at 2010,-138.2 h31 r180
TP219: PIN_NUMBER "1" at 2087.5,-225 h25 r90; ASSEMBLY_BOTTOM "TP-108" at 2078.8,-206.2 h25; ASSEMBLY_BOTTOM "UPN" at 2014.8,-264.7 h25; PAD_STACK_NAME "TPSM70X135" at 1751.9,-233.4 h50 r90; PAD_STACK_NAME "14X30" at 2163.1,-217.5 h50 r90; DISPLAY_BOTTOM "DDMMMYY" at 2016.9,-448.2 h31; DISPLAY_BOTTOM "ADI/JDB" at 2010.7,-75 h31; DISPLAY_BOTTOM "02AUG13" at 2010.7,-125 h31; DISPLAY_BOTTOM "QA/XXX" at 2028.6,-411.9 h31; DISPLAY_BOTTOM "QA/XXX" at 2023.1,-325 h31; DISPLAY_BOTTOM "DDMMMYY" at 2011.4,-361.8 h31
TP220: PIN_NUMBER "1" at 2167.5,-600 h25 r180; ASSEMBLY_BOTTOM "TP-108" at 2098.7,-558.7 h25 r90; ASSEMBLY_BOTTOM "UPN" at 2187.2,-652.7 h25 r90; PAD_STACK_NAME "TPSM70X135" at 1985.9,-745.6 h50 r180; PAD_STACK_NAME "14X30" at 2070,-434.4 h50 r180; DISPLAY_BOTTOM "DDMMMYY" at 2313.9,-593.8 h31 r90; DISPLAY_BOTTOM "ADI/JDB" at 1940.7,-600 h31 r90; DISPLAY_BOTTOM "02AUG13" at 1990.7,-600 h31 r90; DISPLAY_BOTTOM "QA/XXX" at 2290,-594.5 h31 r90; DISPLAY_BOTTOM "QA/XXX" at 2203.1,-600 h31 r90; DISPLAY_BOTTOM "DDMMMYY" at 2227.5,-599.3 h31 r90
TP221: PIN_NUMBER "1" at 2217.5,-600 h25; ASSEMBLY_BOTTOM "TP-108" at 2186.3,-641.3 h25 r270; ASSEMBLY_BOTTOM "UPN" at 2157.8,-547.3 h25 r270; PAD_STACK_NAME "TPSM70X135" at 2019.1,-454.4 h50; PAD_STACK_NAME "14X30" at 2135,-765.6 h50; DISPLAY_BOTTOM "DDMMMYY" at 1917.5,-606.2 h31 r270; DISPLAY_BOTTOM "ADI/JDB" at 2290.7,-600 h31 r270; DISPLAY_BOTTOM "02AUG13" at 2240.7,-600 h31 r270; DISPLAY_BOTTOM "QA/XXX" at 1966.2,-605.5 h31 r270; DISPLAY_BOTTOM "QA/XXX" at 2053.1,-600 h31 r270; DISPLAY_BOTTOM "DDMMMYY" at 2003.9,-600.7 h31 r270
TP222: PIN_NUMBER "1" at 2170,-450 h25 r180; ASSEMBLY_BOTTOM "TP-108" at 2101.2,-408.7 h25 r90; ASSEMBLY_BOTTOM "UPN" at 2189.7,-502.7 h25 r90; PAD_STACK_NAME "TPSM70X135" at 1988.4,-595.6 h50 r180; PAD_STACK_NAME "14X30" at 2072.5,-284.4 h50 r180; DISPLAY_BOTTOM "DDMMMYY" at 2316.4,-443.8 h31 r90; DISPLAY_BOTTOM "ADI/JDB" at 1943.2,-450 h31 r90; DISPLAY_BOTTOM "02AUG13" at 1993.2,-450 h31 r90; DISPLAY_BOTTOM "QA/XXX" at 2292.5,-444.5 h31 r90; DISPLAY_BOTTOM "QA/XXX" at 2205.6,-450 h31 r90; DISPLAY_BOTTOM "DDMMMYY" at 2230,-449.3 h31 r90
TP223: PIN_NUMBER "1" at 2217.5,-450 h25 r180; ASSEMBLY_BOTTOM "TP-108" at 2148.7,-408.7 h25 r90; ASSEMBLY_BOTTOM "UPN" at 2237.2,-502.7 h25 r90; PAD_STACK_NAME "TPSM70X135" at 2035.9,-595.6 h50 r180; PAD_STACK_NAME "14X30" at 2120,-284.4 h50 r180; DISPLAY_BOTTOM "DDMMMYY" at 2363.9,-443.8 h31 r90; DISPLAY_BOTTOM "ADI/JDB" at 1990.7,-450 h31 r90; DISPLAY_BOTTOM "02AUG13" at 2040.7,-450 h31 r90; DISPLAY_BOTTOM "QA/XXX" at 2340,-444.5 h31 r90; DISPLAY_BOTTOM "QA/XXX" at 2253.1,-450 h31 r90; DISPLAY_BOTTOM "DDMMMYY" at 2277.5,-449.3 h31 r90
TP224: PIN_NUMBER "1" at 2217.5,-300 h25 r90; ASSEMBLY_BOTTOM "TP-108" at 2208.8,-281.2 h25; ASSEMBLY_BOTTOM "UPN" at 2144.8,-339.7 h25; PAD_STACK_NAME "TPSM70X135" at 1881.9,-308.4 h50 r90; PAD_STACK_NAME "14X30" at 2293.1,-292.5 h50 r90; DISPLAY_BOTTOM "DDMMMYY" at 2146.9,-523.2 h31; DISPLAY_BOTTOM "ADI/JDB" at 2140.7,-150 h31; DISPLAY_BOTTOM "02AUG13" at 2140.7,-200 h31; DISPLAY_BOTTOM "QA/XXX" at 2158.6,-486.9 h31; DISPLAY_BOTTOM "QA/XXX" at 2153.1,-400 h31; DISPLAY_BOTTOM "DDMMMYY" at 2141.4,-436.8 h31
TP225: PIN_NUMBER "1" at 2170,-300 h25 r90; ASSEMBLY_BOTTOM "TP-108" at 2161.3,-281.2 h25; ASSEMBLY_BOTTOM "UPN" at 2097.3,-339.7 h25; PAD_STACK_NAME "TPSM70X135" at 1834.4,-308.4 h50 r90; PAD_STACK_NAME "14X30" at 2245.6,-292.5 h50 r90; DISPLAY_BOTTOM "DDMMMYY" at 2099.4,-523.2 h31; DISPLAY_BOTTOM "ADI/JDB" at 2093.2,-150 h31; DISPLAY_BOTTOM "02AUG13" at 2093.2,-200 h31; DISPLAY_BOTTOM "QA/XXX" at 2111.1,-486.9 h31; DISPLAY_BOTTOM "QA/XXX" at 2105.6,-400 h31; DISPLAY_BOTTOM "DDMMMYY" at 2093.9,-436.8 h31
TP226: PIN_NUMBER "1" at 2150,-175 h25 r180; ASSEMBLY_BOTTOM "TP-108" at 2081.2,-133.7 h25 r90; ASSEMBLY_BOTTOM "UPN" at 2169.7,-227.7 h25 r90; PAD_STACK_NAME "TPSM70X135" at 1968.4,-320.6 h50 r180; PAD_STACK_NAME "14X30" at 2052.5,-9.4 h50 r180; DISPLAY_BOTTOM "DDMMMYY" at 2296.4,-168.8 h31 r90; DISPLAY_BOTTOM "ADI/JDB" at 1923.2,-175 h31 r90; DISPLAY_BOTTOM "02AUG13" at 1973.2,-175 h31 r90; DISPLAY_BOTTOM "QA/XXX" at 2272.5,-169.5 h31 r90; DISPLAY_BOTTOM "QA/XXX" at 2185.6,-175 h31 r90; DISPLAY_BOTTOM "DDMMMYY" at 2210,-174.3 h31 r90
TP227: PIN_NUMBER "1" at 2152.5,-125 h25 r180; ASSEMBLY_BOTTOM "TP-108" at 2083.7,-83.7 h25 r90; ASSEMBLY_BOTTOM "UPN" at 2172.2,-177.7 h25 r90; PAD_STACK_NAME "TPSM70X135" at 1970.9,-270.6 h50 r180; PAD_STACK_NAME "14X30" at 2055,40.6 h50 r180; DISPLAY_BOTTOM "DDMMMYY" at 2298.9,-118.8 h31 r90; DISPLAY_BOTTOM "ADI/JDB" at 1925.7,-125 h31 r90; DISPLAY_BOTTOM "02AUG13" at 1975.7,-125 h31 r90; DISPLAY_BOTTOM "QA/XXX" at 2275,-119.5 h31 r90; DISPLAY_BOTTOM "QA/XXX" at 2188.1,-125 h31 r90; DISPLAY_BOTTOM "DDMMMYY" at 2212.5,-124.3 h31 r90
TP228: PIN_NUMBER "1" at 2147.45,275 h25; ASSEMBLY_BOTTOM "TP-108" at 2116.25,233.7 h25 r270; ASSEMBLY_BOTTOM "UPN" at 2087.75,327.7 h25 r270; PAD_STACK_NAME "TPSM70X135" at 1949.05,420.6 h50; PAD_STACK_NAME "14X30" at 2064.95,109.4 h50; DISPLAY_BOTTOM "DDMMMYY" at 1847.45,268.8 h31 r270; DISPLAY_BOTTOM "ADI/JDB" at 2220.65,275 h31 r270; DISPLAY_BOTTOM "02AUG13" at 2170.65,275 h31 r270; DISPLAY_BOTTOM "QA/XXX" at 1896.15,269.5 h31 r270; DISPLAY_BOTTOM "QA/XXX" at 1983.05,275 h31 r270; DISPLAY_BOTTOM "DDMMMYY" at 1933.85,274.3 h31 r270
TP229: PIN_NUMBER "1" at 2147.45,325 h25; ASSEMBLY_BOTTOM "TP-108" at 2116.25,283.7 h25 r270; ASSEMBLY_BOTTOM "UPN" at 2087.75,377.7 h25 r270; PAD_STACK_NAME "TPSM70X135" at 1949.05,470.6 h50; PAD_STACK_NAME "14X30" at 2064.95,159.4 h50; DISPLAY_BOTTOM "DDMMMYY" at 1847.45,318.8 h31 r270; DISPLAY_BOTTOM "ADI/JDB" at 2220.65,325 h31 r270; DISPLAY_BOTTOM "02AUG13" at 2170.65,325 h31 r270; DISPLAY_BOTTOM "QA/XXX" at 1896.15,319.5 h31 r270; DISPLAY_BOTTOM "QA/XXX" at 1983.05,325 h31 r270; DISPLAY_BOTTOM "DDMMMYY" at 1933.85,324.3 h31 r270
TP230: PIN_NUMBER "1" at 2220,-500 h25 r90; ASSEMBLY_BOTTOM "TP-108" at 2211.3,-481.2 h25; ASSEMBLY_BOTTOM "UPN" at 2147.3,-539.7 h25; PAD_STACK_NAME "TPSM70X135" at 1884.4,-508.4 h50 r90; PAD_STACK_NAME "14X30" at 2295.6,-492.5 h50 r90; DISPLAY_BOTTOM "DDMMMYY" at 2149.4,-723.2 h31; DISPLAY_BOTTOM "ADI/JDB" at 2143.2,-350 h31; DISPLAY_BOTTOM "02AUG13" at 2143.2,-400 h31; DISPLAY_BOTTOM "QA/XXX" at 2161.1,-686.9 h31; DISPLAY_BOTTOM "QA/XXX" at 2155.6,-600 h31; DISPLAY_BOTTOM "DDMMMYY" at 2143.9,-636.8 h31
TP231: PIN_NUMBER "1" at 2270,-500 h25 r90; ASSEMBLY_BOTTOM "TP-108" at 2261.3,-481.2 h25; ASSEMBLY_BOTTOM "UPN" at 2197.3,-539.7 h25; PAD_STACK_NAME "TPSM70X135" at 1934.4,-508.4 h50 r90; PAD_STACK_NAME "14X30" at 2345.6,-492.5 h50 r90; DISPLAY_BOTTOM "DDMMMYY" at 2199.4,-723.2 h31; DISPLAY_BOTTOM "ADI/JDB" at 2193.2,-350 h31; DISPLAY_BOTTOM "02AUG13" at 2193.2,-400 h31; DISPLAY_BOTTOM "QA/XXX" at 2211.1,-686.9 h31; DISPLAY_BOTTOM "QA/XXX" at 2205.6,-600 h31; DISPLAY_BOTTOM "DDMMMYY" at 2193.9,-636.8 h31
TP232: PIN_NUMBER "1" at 2292.5,-325 h25 r90; ASSEMBLY_BOTTOM "TP-108" at 2283.8,-306.2 h25; ASSEMBLY_BOTTOM "UPN" at 2219.8,-364.7 h25; PAD_STACK_NAME "TPSM70X135" at 1956.9,-333.4 h50 r90; PAD_STACK_NAME "14X30" at 2368.1,-317.5 h50 r90; DISPLAY_BOTTOM "DDMMMYY" at 2221.9,-548.2 h31; DISPLAY_BOTTOM "ADI/JDB" at 2215.7,-175 h31; DISPLAY_BOTTOM "02AUG13" at 2215.7,-225 h31; DISPLAY_BOTTOM "QA/XXX" at 2233.6,-511.9 h31; DISPLAY_BOTTOM "QA/XXX" at 2228.1,-425 h31; DISPLAY_BOTTOM "DDMMMYY" at 2216.4,-461.8 h31
TP233: PIN_NUMBER "1" at 2290,-275 h25 r90; ASSEMBLY_BOTTOM "TP-108" at 2281.3,-256.2 h25; ASSEMBLY_BOTTOM "UPN" at 2217.3,-314.7 h25; PAD_STACK_NAME "TPSM70X135" at 1954.4,-283.4 h50 r90; PAD_STACK_NAME "14X30" at 2365.6,-267.5 h50 r90; DISPLAY_BOTTOM "DDMMMYY" at 2219.4,-498.2 h31; DISPLAY_BOTTOM "ADI/JDB" at 2213.2,-125 h31; DISPLAY_BOTTOM "02AUG13" at 2213.2,-175 h31; DISPLAY_BOTTOM "QA/XXX" at 2231.1,-461.9 h31; DISPLAY_BOTTOM "QA/XXX" at 2225.6,-375 h31; DISPLAY_BOTTOM "DDMMMYY" at 2213.9,-411.8 h31
TP234: PIN_NUMBER "1" at 2290,-125 h25 r90; ASSEMBLY_BOTTOM "TP-108" at 2281.3,-106.2 h25; ASSEMBLY_BOTTOM "UPN" at 2217.3,-164.7 h25; PAD_STACK_NAME "TPSM70X135" at 1954.4,-133.4 h50 r90; PAD_STACK_NAME "14X30" at 2365.6,-117.5 h50 r90; DISPLAY_BOTTOM "DDMMMYY" at 2219.4,-348.2 h31; DISPLAY_BOTTOM "ADI/JDB" at 2213.2,25 h31; DISPLAY_BOTTOM "02AUG13" at 2213.2,-25 h31; DISPLAY_BOTTOM "QA/XXX" at 2231.1,-311.9 h31; DISPLAY_BOTTOM "QA/XXX" at 2225.6,-225 h31; DISPLAY_BOTTOM "DDMMMYY" at 2213.9,-261.8 h31
TP235: PIN_NUMBER "1" at 2290,-75 h25 r90; ASSEMBLY_BOTTOM "TP-108" at 2281.3,-56.2 h25; ASSEMBLY_BOTTOM "UPN" at 2217.3,-114.7 h25; PAD_STACK_NAME "TPSM70X135" at 1954.4,-83.4 h50 r90; PAD_STACK_NAME "14X30" at 2365.6,-67.5 h50 r90; DISPLAY_BOTTOM "DDMMMYY" at 2219.4,-298.2 h31; DISPLAY_BOTTOM "ADI/JDB" at 2213.2,75 h31; DISPLAY_BOTTOM "02AUG13" at 2213.2,25 h31; DISPLAY_BOTTOM "QA/XXX" at 2231.1,-261.9 h31; DISPLAY_BOTTOM "QA/XXX" at 2225.6,-175 h31; DISPLAY_BOTTOM "DDMMMYY" at 2213.9,-211.8 h31
TP236: PIN_NUMBER "1" at 2289.09,275 h25; ASSEMBLY_BOTTOM "TP-108" at 2257.89,233.7 h25 r270; ASSEMBLY_BOTTOM "UPN" at 2229.39,327.7 h25 r270; PAD_STACK_NAME "TPSM70X135" at 2090.69,420.6 h50; PAD_STACK_NAME "14X30" at 2206.59,109.4 h50; DISPLAY_BOTTOM "DDMMMYY" at 1989.09,268.8 h31 r270; DISPLAY_BOTTOM "ADI/JDB" at 2362.29,275 h31 r270; DISPLAY_BOTTOM "02AUG13" at 2312.29,275 h31 r270; DISPLAY_BOTTOM "QA/XXX" at 2037.79,269.5 h31 r270; DISPLAY_BOTTOM "QA/XXX" at 2124.69,275 h31 r270; DISPLAY_BOTTOM "DDMMMYY" at 2075.49,274.3 h31 r270